# Altium PCB GameBoard_V1I1_Phase1.PcbDoc (part 13 of 18)
Units mm, origin at the board's own origin, x right, y up, seen from the top; angles counter-clockwise.
Board outline 182 x 70.2 mm, 12 copper layers (L1, L2, L3, L4, L5 (PWR), L6 (PWR), L7 (PWR), L8 (PWR), L9, L10, L11, L12), stack 2.079 mm thick; 1542 components, 1068 nets, 5447 pads, 3805 vias.
Unrouted connection lines stored in the file: 2.
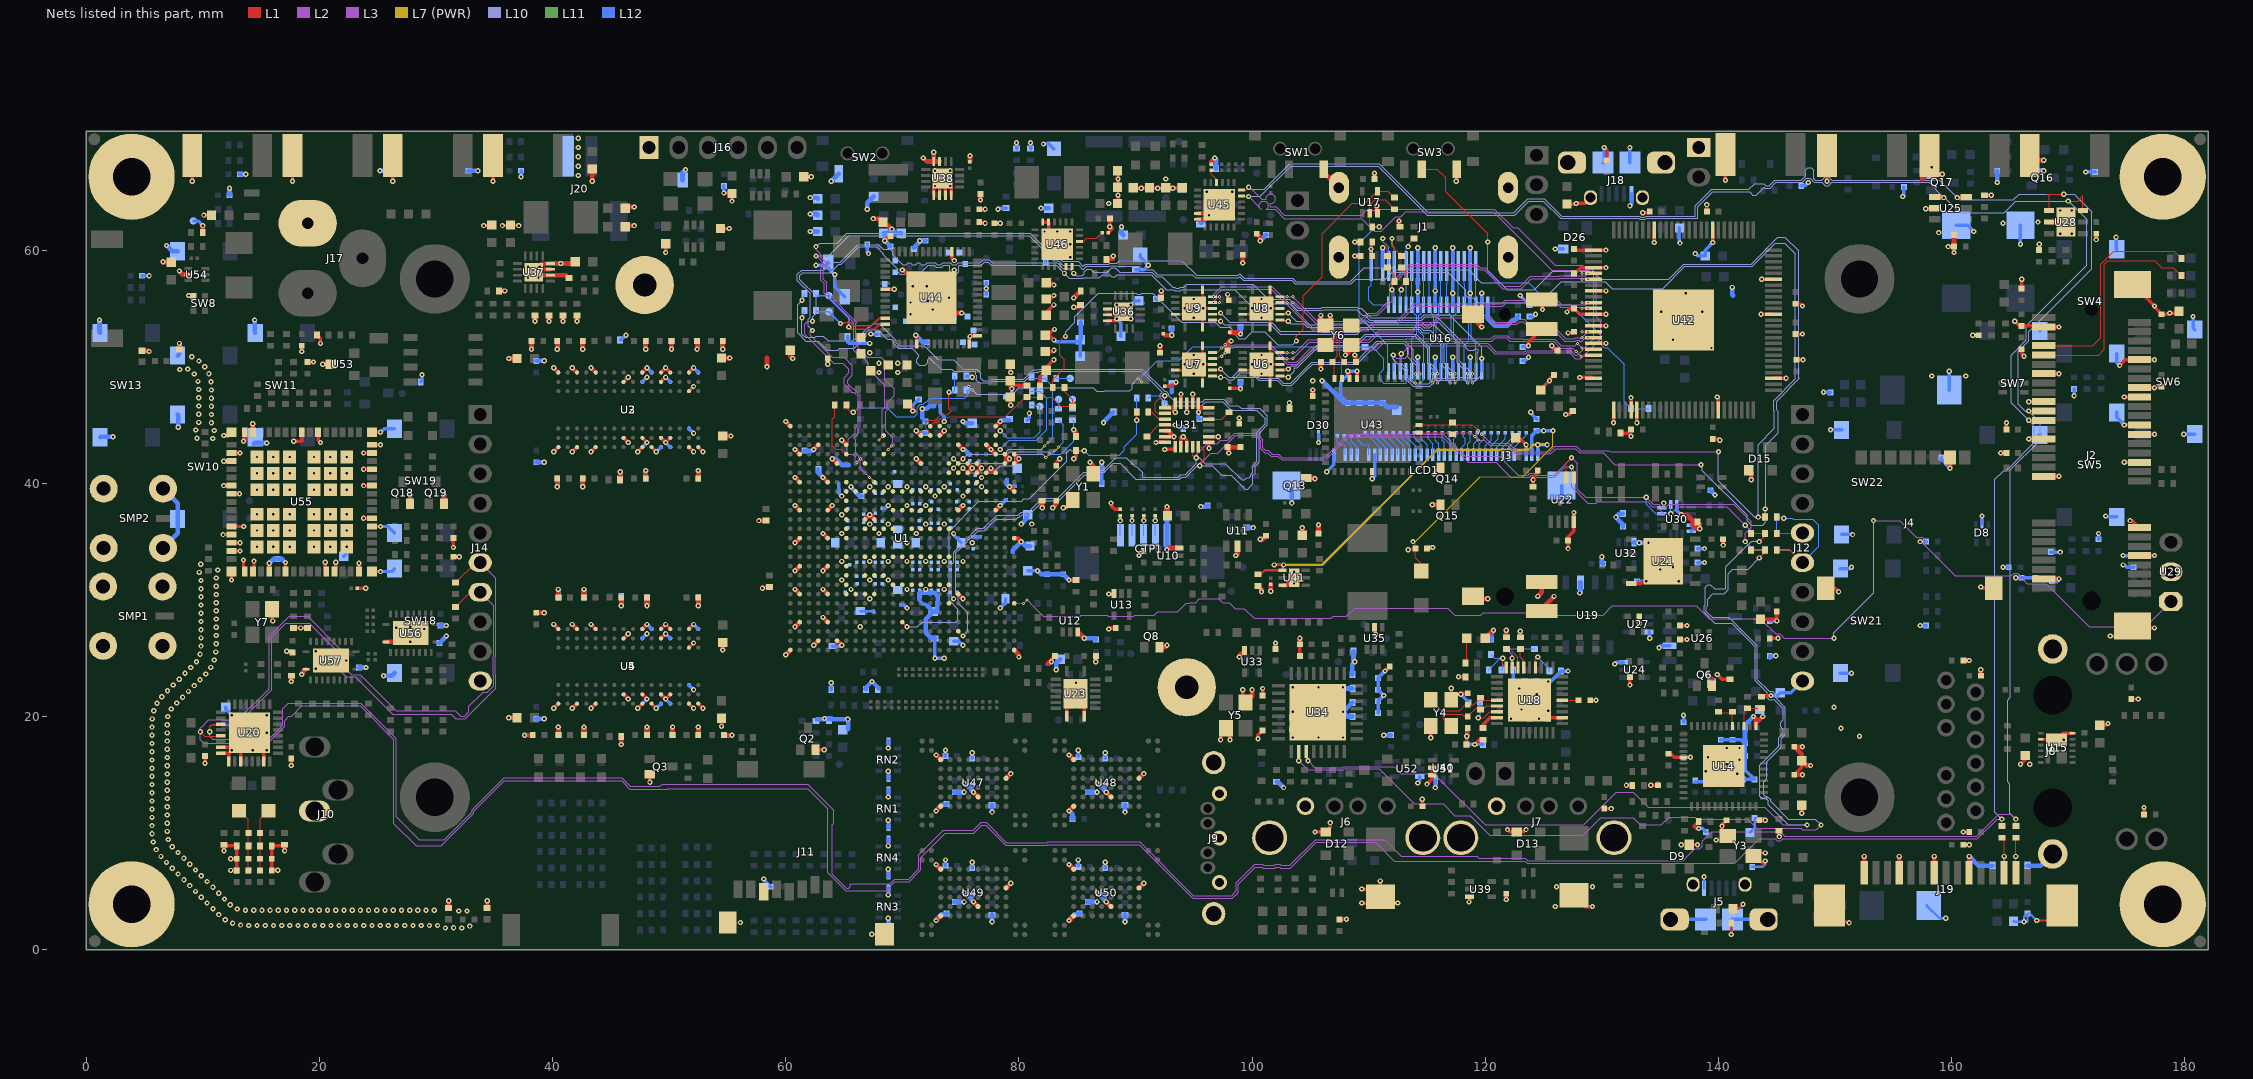
[diagram p23: the nets of this part, all layers, seen from the top]

## Via types
v1: diameter 0.45, hole 0.2, L1 to L12, 1937 vias
v2: diameter 0.45, hole 0.2, L1 to L12, tented both sides, 1004 vias
v3: diameter 0.27, hole 0.1, L1 to L2, 337 vias
v4: diameter 0.27, hole 0.1, L2 to L3, 335 vias
v5: diameter 0.27, hole 0.1, L10 to L11, 96 vias
v6: diameter 0.27, hole 0.1, L11 to L12, 94 vias
v7: diameter 0.27, hole 0.1, L3 to L5 (PWR), 2 vias

## Nets (pads, with @x,y where several pads share a name; then routed paths per layer and width w, separated by ;. In a path a pad name is that pad's centre, name@x,y a point inside that pad or via, vN(x,y) a via of type N, cw(c..) or ccw(c..) an arc to the next point about the centre after c; other vN are vias at no path point) (continued)
GND: (continued)
  other v1: 30.815,1.862 32.222,1.862 31.518,1.885 32.907,2.023 13.952,2.074 14.656,2.074 15.36,2.074 16.064,2.074 16.768,2.074 17.472,2.074 18.176,2.074 18.88,2.074 19.584,2.074 20.288,2.074 20.992,2.074 21.696,2.074 22.4,2.074 23.104,2.074 23.808,2.074 24.512,2.074 25.216,2.074 25.92,2.074 26.624,2.074 27.328,2.074 28.032,2.074 28.736,2.074 29.44,2.074 30.144,2.074 13.248,2.107 12.563,2.266 11.931,2.577 11.374,3.007 31.966,3.322 32.67,3.314 13.666,3.376 14.37,3.376 15.074,3.376 15.778,3.376 16.482,3.376 17.186,3.376 17.89,3.376 18.594,3.376 19.298,3.376 20.002,3.376 20.706,3.376 21.41,3.376 22.114,3.376 22.818,3.376 23.522,3.376 24.226,3.376 24.93,3.376 25.634,3.376 26.338,3.376 27.042,3.376 27.746,3.376 28.45,3.376 29.154,3.376 29.858,3.376 12.971,3.49 10.875,3.504 126,3.7 12.369,3.854 10.378,4.002 11.87,4.351 9.88,4.5 11.372,4.849 9.382,4.998 10.874,5.346 126.1,5.4 129.2,5.4 8.884,5.495 10.376,5.844 8.386,5.993 9.878,6.342 7.889,6.491 9.381,6.84 7.391,6.989 8.883,7.338 6.893,7.487 8.385,7.835 6.412,8.001 7.887,8.333 6.015,8.582 7.394,8.836 136.8,9 5.766,9.241 139.8,9.4 7.049,9.449 5.661,9.937 6.951,10.147 5.649,10.641 6.951,10.851 5.649,11.345 6.951,11.555 5.649,12.049 6.951,12.259 5.649,12.753 6.951,12.963 5.649,13.457 6.951,13.667 5.649,14.161 6.951,14.371 5.649,14.865 6.951,15.075 141.6,15.1 138.9,15.3 5.649,15.569 6.951,15.779 166.7,15.9 5.649,16.273 141.8,16.3 6.951,16.483 139.1,16.5 5.649,16.977 6.951,17.187 140.7,17.3 141.8,17.3 5.649,17.681 6.951,17.891 169.6,18 105.7,18.2 107.8,18.2 152.1,18.3 5.649,18.385 6.951,18.595 15.5,18.6 150.5,19 5.649,19.089 6.951,19.299 5.671,19.792 122.2,19.8 124.6,19.8 7.003,20.001 105.7,20.4 5.796,20.485 125.4,20.5 123.1,20.6 7.294,20.642 149.9,20.8 6.081,21.129 7.776,21.155 8.273,21.653 6.496,21.698 84.9,21.7 124.4,21.9 8.771,22.151 6.984,22.205 103.5,22.5 105.7,22.5 9.269,22.649 7.482,22.703 84.9,22.9 9.767,23.147 7.98,23.2 10.259,23.65 8.478,23.698 19.7,24.1 8.976,24.196 10.683,24.212 9.462,24.705 82.8,24.7 21,24.8 10.981,24.85 9.777,25.335 11.124,25.539 19.7,25.6 9.849,26.035 11.151,26.243 27.8,26.4 9.849,26.739 11.151,26.947 9.849,27.443 29,27.5 26.6,27.6 11.151,27.651 27.8,27.7 9.849,28.147 11.151,28.355 9.849,28.851 11.151,29.059 9.849,29.555 11.151,29.763 9.849,30.259 11.151,30.467 9.849,30.963 11.151,31.171 136.6,31.6 9.849,31.667 11.151,31.875 9.712,32.357 103.6,32.4 11.288,32.565 9.826,33.052 14.65,34.55 16.05,34.55 17.45,34.55 19.55,34.55 20.95,34.55 133.2,34.9 14.65,35.95 16.05,35.95 17.45,35.95 19.55,35.95 20.95,35.95 22.35,35.95 14.65,37.35 16.05,37.35 17.45,37.35 19.55,37.35 20.95,37.35 22.35,37.35 135.3,38.3 14.65,39.45 16.05,39.45 17.45,39.45 19.55,39.45 20.95,39.45 22.35,39.45 14.65,40.85 16.05,40.85 17.45,40.85 19.55,40.85 20.95,40.85 22.35,40.85 14.65,42.25 16.05,42.25 17.45,42.25 19.55,42.25 20.95,42.25 22.35,42.25 10.868,43.838 9.513,43.867 10.988,44.532 9.412,44.564 10.743,45.191 9.657,45.224 10.743,45.895 9.657,45.928 10.743,46.599 9.657,46.632 10.743,47.303 9.657,47.336 10.743,48.007 9.657,48.04 10.714,48.711 9.597,48.741 105.2,48.8 158.3,49.2 161.2,49.2 9.277,49.368 10.529,49.39 8.024,49.762 8.726,49.806 10.171,49.996 9.673,50.494 9.067,50.853 139.4,51.6 89.6,54.1 137,54.2 135.1,54.7 138.6,54.7 88.4,55.3 8.8,56.1 117.2,56.3 137.2,56.3 114.2,56.4 115.7,56.5 37.9,57.6 38.8,57.6 37.9,58.6 38.9,58.6 158.9,61.5 82.2,61.6 83.3,61.6 164.4,62.3 167.4,62.4 87.7,64 96.1,65 98.3,65 72.8,65.5 92.6,66.1 42.2,66.4 74.1,66.8 42.2,67.2 42.2,68 42.2,68.8 42.2,69.6
  other v2: 80,25.1 66.4,27.7 65.6,30.9 70.4,30.9 72,30.9 73.6,30.9 64.8,31.7 67.2,31.7 68.8,31.7 64.8,33.3 67.2,33.3 68.8,33.3 70.4,33.3 72,33.3 73.6,33.3 75.2,33.3 70.4,34.9 76,34.9 64.8,35.7 68,35.7 71.2,35.7 67.2,36.5 68.8,36.5 72,36.5 73.6,36.5 81.1,36.5 64.8,37.3 70.4,38.1 72,38.1 72.8,38.9 75.2,38.9 67.2,39.7 68.8,39.7 70.4,39.7 72,39.7 73.6,39.7 76.8,39.7 76.8,40.5 95,49.4 100.8,49.4 68,49.5 69.6,49.5 94.2,50.2 100,50.2 68,50.3 69.6,50.3 95,51 100.8,51 67.2,51.2 75.8,52.6 95,54.2 100.8,54.2 70.7,54.5 72.6,54.9 94.2,55 100,55 70.7,55.5 72.2,55.6 95,55.8 100.8,55.8 74,55.9 70.9,56.9 72.1,56.9 74.45,58.3 169.3,61.4 170.3,61.4 84.4,61.6 169.3,63.4 170.3,63.4
  other v3: 68.8,39.7
GYRO_CS_B: R264.2 U31.17 | length 1.8
  L1 w0.1: U31.17@96.275,45.5 97.4,45.5 R264.2@97.9,46
GYRO_INT: R46.1 R256.2 R258.2 U1.N22 | length 37.4
  L1 w0.093: U1.N22@70,28.1 v2(70.4,27.7) ; v1(90.1,45.4) R258.2@90.1,46.1
  L10 w0.093: v2(70.4,27.7) 71.3,27.7 71.7,28.1 74.527,28.1 74.7,28.273 74.7,28.275 74.772,28.346 74.772,29.203 74.007,29.968 74.007,35.907 76.575,38.475 80.229,38.475 80.425,38.672 80.871,38.672 84.1,41.9 84.1,42.6 84.4,42.9 84.5,42.8 v1(85.6,42.8)
  L12 w0.093: v1(85.6,42.8) 85.996,42.404 88.599,42.404 89.014,42.819 89.014,43.114 90.1,44.2 v1(90.1,45.4) R46.1@90.1,46.1 R256.2@90.1,47.3
GYRO_INT1: R258.1 U31.3 | length 1.7
  L1 w0.093: R258.1@91.1,46.1 91.4,46.1 92,45.5 U31.3@92.525,45.5
GYRO_PWR_CTRL: R254.2 R256.1 U31.2 | length 4.8
  L1 w0.093: v1(92.5,47.5) 92.3,47.5 91.7,46.9 91.7,46.2 91.9,46 U31.2@92.525,46
  L12 w0.093: R256.1@91.1,47.3 91.3,47.5 v1(92.5,47.5) R254.2@92.5,46.8
GYRO_RST: R266.2 R268.2 U31.4 | length 3.7
  L1 w0.1: R268.2@91,44 92,45 U31.4@92.525,45 v1(93.4,45)
  L12 w0.1: v1(93.4,45) 93.7,45 R266.2@94.1,44.6
HDMI_CEC: R24.1 U1.W4 | length 5.1
  L1 w0.1: R24.1@64.2,46.7 64.2,45.7 64,45.5 64,43.2 64.3,42.9 64.8,42.9 U1.W4@65.2,42.5
HDMI_CEC_CON: J1.13 R148.2 U16.23 | length 6
  L1 w0.1: v1(113.4,60.3) 113.4,60.5 R148.2@113.9,61
  L12 w0.1: U16.23@113.2,55.3 113.2,56.3 ; 113.2,56.3 J1.13@113.2,58.64 113.2,60.1 v1(113.4,60.3)
HDMI_CEC_IN: R20.1 R24.2 R25.2 U16.16 | length 58
  L1 w0.1: R24.2@65.2,46.7 65.2,46.5 65.6,46.1 v1(65.8,46.1)
  L10 w0.1: v5(75.7,48.3) 76.375,47.625 79.455,47.625 79.775,47.945 79.775,47.975 80,48.2 86.37,48.2 86.67,47.9 87.33,47.9 87.355,47.925 89.525,47.925 89.702,48.102 89.702,48.5 v5(90.202,49)
  L11 w0.1: v5(75.7,48.3) v6(76,48) ; v5(90.202,49) v6(90.502,48.7)
  L12 w0.1: v1(65.8,46.1) 66.2,46.5 68.7,46.5 69.475,45.725 71.025,45.725 71.275,45.975 71.275,46.505 71.545,46.775 71.775,46.775 71.95,46.95 72.05,46.95 72.4,47.3 75.367,47.3 75.6,47.533 75.6,47.9 R25.2@75.5,48 v6(76,48) ; v6(90.502,48.7) 90.502,49.119 91.883,50.5 93.7,50.5 94.9,51.7 R20.1@109.7,51.7 110.3,51.7 111.3,50.7 111.3,49.8 110.95,49.45 110.95,48.95 111.3,48.6 113.2,48.6 113.2,48.7 U16.16@113.2,49.6
HDMI_CLK_N: J1.12 U7.9 U16.15 U16.24 | length 33.2
  L1 w0.1: U7.9@96.6,49.2 97.3,49.2 v2(97.3,49.1)
  L10 w0.1: v2(97.3,49.1) 97.717,49.1 97.917,48.9 98.383,48.9 98.983,49.5 99.887,49.5 100.562,48.825 102.175,48.825 102.6,48.4 103.383,48.4 104.7,49.717 105.183,50.2 108.983,50.2 109.925,51.142 109.925,51.155 110.145,51.375 110.158,51.375 110.783,52 113,52 113.365,51.635 113.365,50.835 113.625,50.575 113.625,50.562 114.1,50.087 114.1,49.5 v5(114,49.4)
  L11 w0.1: v6(114,48.6) v5(114,49.4)
  L12 w0.1: J1.12@113.7,58.64 113.7,57.05 113.7,55.55 113.9,55.35 113.9,55.176 113.91,55.166 113.91,54.538 113.998,54.45 114.1,54.45 114.1,52.8 113.7,52.4 U16.15@113.7,49.6 113.7,48.9 v6(114,48.6)
HDMI_CLK_P: J1.10 U7.10 U16.13 U16.26 | length 35.9
  L1 w0.1: U7.10@96.6,49.7 97.3,49.7 v2(97.3,49.8)
  L10 w0.1: v2(97.3,49.8) 98,49.1 98.3,49.1 ; 100.487,49.183 99.97,49.7 98.9,49.7 98.3,49.1 ; v5(114.4,49.4) 114.3,49.5 114.3,50.17 113.825,50.645 113.825,51.458 113.083,52.2 110.7,52.2 110.075,51.575 110.062,51.575 109.725,51.238 109.725,51.225 108.9,50.4 105.1,50.4 103.3,48.6 102.683,48.6 102.258,49.025 100.645,49.025 100.57,49.1 98.3,49.1
  L11 w0.1: v6(114.4,48.6) v5(114.4,49.4)
  L12 w0.1: v6(114.4,48.6) 114.7,48.9 U16.13@114.7,49.6 114.7,52.6 114.3,53 114.3,54.45 114.402,54.45 114.49,54.538 114.49,55.166 114.5,55.176 114.5,55.35 114.7,55.55 114.7,57.29 J1.10@114.7,58.64
HDMI_D0_N: J1.9 U6.9 U16.12 U16.27 | length 28.5
  L1 w0.1: U6.9@102.4,49.2 103.1,49.2 v2(103.1,49.1)
  L10 w0.1: v2(103.1,49.1) 103.6,49.6 103.6,49.9 103.883,49.9 105.641,51.659 108.859,51.659 109.8,52.6 114,52.6 115,51.6 115,50.3 115.5,49.8 v5(115.5,49.4)
  L11 w0.1: v6(115.5,48.6) v5(115.5,49.4)
  L12 w0.1: J1.9@115.2,58.64 115.2,57.05 115.2,55.55 115.4,55.35 115.4,55.176 115.41,55.166 115.41,54.538 115.498,54.45 115.6,54.45 115.6,52.2 115.575,52.175 115.545,52.175 115.325,51.955 115.325,51.925 115.2,51.8 U16.12@115.2,49.6 115.2,48.9 v6(115.5,48.6)
HDMI_D0_P: J1.7 U6.10 U16.10 U16.29 | length 28.5
  L1 w0.1: U6.10@102.4,49.7 103.1,49.7 v2(103.1,49.8)
  L10 w0.1: v2(103.1,49.8) 103.4,50.1 103.8,50.1 105.559,51.859 108.776,51.859 109.717,52.8 114.083,52.8 115.2,51.683 115.2,50.383 115.9,49.683 v5(115.9,49.4)
  L11 w0.1: v6(115.9,48.6) v5(115.9,49.4)
  L12 w0.1: v6(115.9,48.6) 116.2,48.9 U16.10@116.2,49.6 116.2,51.9 115.8,52.3 115.8,54.45 115.902,54.45 115.99,54.538 115.99,55.166 116,55.176 116,55.35 116.2,55.55 116.2,57.29 J1.7@116.2,58.64
  other v5: 115.9,49.4
HDMI_D1_N: J1.6 U9.9 U16.9 U16.30 | length 35
  L1 w0.1: U9.9@96.6,54 97.3,54 v2(97.3,53.9)
  L10 w0.1: v2(97.3,53.9) 97.6,53.6 101.6,53.6 102.4,52.8 109,52.8 109.4,53.2 114.321,53.2 114.596,52.925 115.175,52.925 116.3,51.8 116.3,50.1 v5(117,49.4)
  L11 w0.1: v6(117,48.6) v5(117,49.4)
  L12 w0.1: J1.6@116.7,58.64 116.7,57.05 116.7,55.55 116.9,55.35 116.9,55.176 116.91,55.166 116.91,54.538 116.998,54.45 117.1,54.45 117.1,52.317 116.7,51.917 U16.9@116.7,49.6 116.7,48.9 v6(117,48.6)
HDMI_D1_P: J1.4 U9.10 U16.7 U16.32 | length 35.7
  L1 w0.1: U9.10@96.6,54.5 97.3,54.5 v2(97.3,54.6)
  L10 w0.1: v2(97.3,54.6) 98.1,53.8 101.683,53.8 102.424,53.059 105.941,53.059 106,53 108.917,53 109.317,53.4 114.404,53.4 114.679,53.125 115.258,53.125 116.5,51.883 116.5,50.303 117.4,49.403 v5(117.4,49.4)
  L11 w0.1: v6(117.4,48.6) v5(117.4,49.4)
  L12 w0.1: v6(117.4,48.6) 117.7,48.9 U16.7@117.7,49.6 117.7,52 117.3,52.4 117.3,54.45 117.402,54.45 117.49,54.538 117.49,55.166 117.5,55.176 117.5,55.35 117.7,55.55 117.7,57.29 J1.4@117.7,58.64
  other v5: 117.4,49.4
HDMI_D2_N: J1.3 U8.9 U16.6 U16.33 | length 30.9
  L1 w0.1: U8.9@102.4,54 U8.9@102.7,54 ; U8.9@102.7,53.9 U8.9@102.7,54 ; v2@103.1,54 U8.9@102.7,54
  L10 w0.1: v2(103.1,53.9) 103.3,53.7 104.434,53.7 104.734,53.4 108.869,53.4 109.227,53.759 109.779,53.759 109.937,53.6 114.487,53.6 114.762,53.325 115.238,53.325 115.513,53.6 115.6,53.6 117.035,52.165 117.045,52.175 117.355,52.175 117.575,51.955 117.575,50.325 v5(118.5,49.4)
  L11 w0.1: v6(118.5,48.6) v5(118.5,49.4)
  L12 w0.1: J1.3@118.2,58.64 118.2,57.05 118.2,55.55 118.4,55.35 118.4,55.176 118.41,55.166 118.41,54.538 118.498,54.45 118.6,54.45 118.6,52.175 118.545,52.175 118.2,51.83 U16.6@118.2,49.6 118.2,48.9 v6(118.5,48.6)
HDMI_D2_P: J1.1 U8.10 U16.4 U16.35 | length 31.5
  L1 w0.1: U8.10@102.4,54.5 v2@103.1,54.5
  L10 w0.1: v2(103.1,54.6) 103.8,53.9 104.517,53.9 104.817,53.6 108.786,53.6 109.144,53.959 109.862,53.959 110.02,53.8 114.625,53.8 114.625,53.745 114.845,53.525 115.155,53.525 115.375,53.745 115.375,53.8 116.013,53.8 117.775,52.038 117.775,50.528 118.9,49.403 v5(118.9,49.4)
  L11 w0.1: v6(118.9,48.6) v5(118.9,49.4)
  L12 w0.1: v6(118.9,48.6) 119.2,48.9 U16.4@119.2,49.6 119.2,52 118.825,52.375 118.8,52.375 118.8,54.45 118.902,54.45 118.99,54.538 118.99,55.166 119,55.176 119,55.35 119.2,55.55 119.2,57.29 J1.1@119.2,58.64
  other v5: 118.9,49.4
HDMI_DDC: R25.1 R29.2 U1.K2 | length 7.4
  L1 w0.1: U1.K2@72.4,44.1 72.4,44.3 72,44.7 72,45.2 72.225,45.425 72.855,45.425 73.305,45.875 73.875,45.875 74.2,46.2 74,46.4 v1(74,47.8)
  L12 w0.1: v1(74,47.8) 74.1,47.8 74.2,47.7 R25.1@74.5,48 R29.2@74.5,49.2
HDMI_ESD_BYP: C220.1 U16.37 | length 4.4
  L12 w0.4: U16.37@120.2,55.3 120.2,54.125 120.825,53.5 121.867,53.5 122.333,53.967 122.467,53.967 C220.1@122.8,54.3
HDMI_HPD: R23.2 R150.2 U17.4 | length 47.8
  L1 w0.1: R23.2@82.9,48.2 82.9,48.883 83.9,49.883 83.9,50.6 83.5,51 83.5,52.2 83.9,52.6 v1(84,52.6) ; v1(103.8,52.2) 103.8,52.6 104.4,53.2 104.4,56.1 106,57.7 106,61.4 108.6,64 109.7,64 U17.4@110.75,65.05 111.65,65.05 R150.2@112.2,64.5
  L10 w0.1: v1(84,52.6) 84,53 84.8,53.8 84.8,54.283 86.817,56.3 90.07,56.3 90.145,56.225 90.455,56.225 90.53,56.3 91.5,56.3 93.975,53.825 96.845,53.825 97.27,53.4 98.096,53.4 98.625,52.871 98.625,52.645 98.87,52.4 99.4,52.4 100,53 101.1,53 102.2,51.9 103.5,51.9 v1(103.8,52.2)
HDMI_HPD_BUFF: R149.1 R150.1 U16.19 U17.2 | length 19.5
  L1 w0.1: v1(110.9,62) R149.1@110.3,62 110.1,62.2 U17.2@110.1,63.15 110.1,63.9 110.5,64.3 111.4,64.3 R150.1@112.2,63.5
  L12 w0.1: v1(110.9,62) 110.6,62 109.2,60.6 109.2,54.3 111.65,51.85 111.65,49.65 U16.19@111.7,49.6
HDMI_HPD_CON: C222.1 J1.19 R145.2 U16.20 | length 7.6
  L1 w0.1: C222.1@110.3,59.5 110.2,59.6 v1(110.2,60.1) 110.3,60.2 R145.2@110.3,60.7
  L12 w0.1: v1(110.2,60.1) J1.19@110.2,58.64 110.2,57 110,56.8 110,55.7 110.4,55.3 U16.20@111.7,55.3
HDMI_HPD_R: C74.1 R21.1 R23.1 R26.2 U1.K1 | length 15.5
  L1 w0.1: U1.K1@72.4,44.9 72.4,44.913 72.712,45.225 72.995,45.225 73.445,45.675 73.958,45.675 74.008,45.725 75.875,45.725 75.9,45.7 78.83,45.7 80.53,47.4 R26.2@80.7,47.4 C74.1@81.8,47.4 82.8,47.4 83.6,46.6 R21.1@84.6,46.6 84.6,47.183 83.9,47.883 R23.1@83.9,48.2
HDMI_RESREF: R28.2 U1.J1 | length 2
  L1 w0.093: U1.J1@73.2,44.9 v2(73.6,45.3)
  L12 w0.3: R28.2@73.265,46.6 73.265,46.048 73.6,45.713 v2(73.6,45.3)
HDMI_SCL_CON: J1.15 R143.1 | length 4.3
  L1 w0.1: v1(112,61) 112,60.3 R143.1@112.8,59.5
  L12 w0.1: v1(112,61) 112,60.4 112.2,60.2 J1.15@112.2,58.64
HDMI_SCL_CON_R: R143.2 R147.1 U16.22 | length 3.6
  L1 w0.1: v1(112.8,56.6) 112.8,56.9 R147.1@113.2,57.3 113.2,58.1 R143.2@112.8,58.5
  L12 w0.1: U16.22@112.7,55.3 112.7,56.5 v1(112.8,56.6)
HDMI_SDA_CON: J1.16 R144.1 | length 4.3
  L1 w0.1: v1(111.2,61) 111.2,60.73 111.6,60.33 R144.1@111.6,59.5
  L12 w0.1: v1(111.2,61) 111.2,60.7 111.325,60.575 111.355,60.575 111.7,60.23 J1.16@111.7,58.64
HDMI_SDA_CON_R: R144.2 R146.1 U16.21 | length 3.6
  L1 w0.1: R144.2@111.6,58.5 112.2,57.9 R146.1@112.2,57.3 112,57.1 v1(112,56.6)
  L12 w0.1: v1(112,56.6) 112.2,56.4 U16.21@112.2,55.3
HP_OUT_L: C272.2 C276.1 C280.1 FB22.1 R203.2 | length 5.4
  L1 w0.1: FB22.1@14.923,6.804 R203.2@14.923,8.904 C276.1@14.923,10.004 14.923,11.229 C272.2@15.623,11.929
HP_OUT_R: C273.2 C275.1 C279.1 FB21.1 R202.2 | length 5.5
  L1 w0.1: C273.2@13.123,11.929 13.923,11.129 C275.1@13.923,10.004 C279.1@13.923,7.804 FB21.1@13.923,6.804
HUB_CFG_SEL0: R192.2 U18.24 | length 1.7
  L1 w0.1: R192.2@123,25.8 123,25.1 123.3,24.8 U18.24@123.3,24.2
HUB_CFG_SEL1: R191.2 U18.25 | length 2.2
  L1 w0.1: R191.2@121.8,25.8 122.1,25.8 122.8,25.1 U18.25@122.8,24.2
HUB_CRFILT: C255.1 U18.14 | length 1.4
  L1 w0.1: U18.14@126.6,21.4 C255.1@128,21.4
HUB_LED: D11.2 R190.1 | length 2
  L1 w0.1: R190.1@118.3,24.6 118.4,24.7 D11.2@118.4,26.6
HUB_NON_REM1: R195.2 U18.22 | length 2.6
  L1 w0.1: U18.22@124.3,24.2 124.3,24.9 v1(124.5,25.1)
  L12 w0.1: v1(124.5,25.1) 125.5,24.1 R195.2@125.5,23.9
HUB_PLLFILT: C254.1 U18.34 | length 3.2
  L1 w0.1: v1(119.4,19.9) 119.87,19.9 120.37,20.4 U18.34@121,20.4
  L12 w0.1: v1(119.4,19.9) 119.55,20.05 C254.1@119.55,21.2
HUB_RBIAS: R193.1 U18.35 | length 1.7
  L1 w0.3: R193.1@119.8,19 119.8,19.3 120.4,19.9 U18.35@121,19.9
HUB_RESETn: C248.1 R187.1 R189.1 U18.26 | length 4.2
  L1 w0.1: U18.26@122.3,24.2 v1(122.3,25)
  L12 w0.1: v1(122.3,25) 122.3,25.3 R189.1@121.8,25.8 C248.1@123,25.8 R187.1@124.2,25.8
HUB_VBUS_DET: R183.2 R184.1 R185.1 U18.27 | length 4.5
  L1 w0.1: v1(121.5,25) 121.5,24.5 U18.27@121.8,24.2
  L12 w0.1: R184.1@120.3,24 v1@121.3,25 ; R183.2@120.5,25.3 120.8,25 v1@121.3,25 ; R185.1@121.4,24 121.5,24.1 v1(121.5,25) v1@121.3,25
HUB_XTALIN: C247.1 R196.2 U18.33 Y4.3 | length 6.3
  L1 w0.1: Y4.3@117.075,19.175 117.025,19.175 116.4,19.8 116.4,20.1 116.5,20.2 118,20.2 118.2,20 C247.1@118.5,20 119.3,20.8 120,20.8 120.1,20.9 U18.33@121,20.9
HUB_XTALOUT: C249.1 R196.1 U18.32 Y4.1 | length 6.4
  L1 w0.1: Y4.1@115.325,21.425 116.25,20.5 117.8,20.5 118.3,21 C249.1@118.5,21 119,21 119.4,21.4 U18.32@121,21.4
I2C1_SCL: R60.1 R224.1 R441.1 U1.H20 U22.6 U30.4 U31.11 | length 159.8
  L1 w0.093: U1.H20@74,29.7 v2(74.4,30.1) ; U31.11@94.9,43.125 94.9,42.4 95.1,42.2 v1(95.2,42.2) ; U22.6@126.925,40.5 126.925,41.725 v1(127.4,42.2)
  L3 w0.093: v1@95.1,42.325 96.146,43.372 96.997,43.372 97.325,43.7 97.927,43.7 98.52,44.293 100.38,44.293 100.929,43.744 100.929,43.046 101.146,42.828 101.394,42.828 101.719,42.504 102.296,42.504 102.6,42.2 106.227,42.2 108.227,44.2 116.4,44.2 118.3,42.3 121.2,42.3 122.807,40.693 123.695,40.693 123.866,40.865 124.334,40.865 124.505,40.693 125.893,40.693 v1(127.4,42.2) 127.9,41.7 127.9,39.5 128.6,38.8 v1(133.8,38.8) 134.4,38.2 134.875,38.2 135.146,37.928 135.454,37.928 135.725,38.2 141.3,38.2 142.8,36.7 142.8,36.2 142.3,35.7 v1(142.3,35)
  L10 w0.093: v1(61.4,55.7) 61.019,55.319 61.019,52.9 61.719,52.2 62.8,52.2 63.571,51.429 64.454,51.429 64.625,51.6 65.882,51.6 66.928,52.646 66.928,52.954 67.146,53.171 67.915,53.171 68.715,52.372 69.054,52.372 69.271,52.154 69.271,51.954 69.654,51.571 70.854,51.571 71.429,50.997 71.429,50.854 71.228,50.654 71.228,50.346 71.446,50.129 71.954,50.129 72.172,50.346 72.172,50.615 72.328,50.772 73.328,49.772 74.254,49.772 74.425,49.6 76.3,49.6 76.3,49.325 76.372,49.254 76.372,48.946 76.313,48.887 76.589,48.61 77.631,48.61 77.756,48.736 80.5,48.736 81.3,49.535 81.7,49.535 81.764,49.6 90.5,49.6 92.287,47.813 92.129,47.654 92.129,47.346 92.346,47.128 92.402,47.128 92.962,46.569 93.065,46.672 95.693,46.672 96.018,46.996 97.468,46.996 98.211,46.254 100.4,46.254 101.118,45.537 101.118,45.092 100.407,44.382 100.407,43.82 100.407,41.88 100.006,41.479 100.006,41.319 100.071,41.254 100.071,40.946 99.879,40.753 99.879,40.604 99.747,40.472 99.546,40.472 99.375,40.3 99.1,40.3 97.707,41.693 95.99,41.693 95.483,42.2 v1(95.2,42.2) 95.2,41.725 95.128,41.654 95.128,41.603 94.254,40.728 93.901,40.728 93.708,40.535 90.6,40.535 90.6,40.925 90.054,41.471 89.929,41.471 89.471,41.929 89.471,41.954 89.225,42.2 88.298,42.2 87.236,41.137 86.515,41.137 86.319,40.941 85.581,40.941 83.344,38.704 82.005,38.704 80.802,37.5 80.2,37.5 79.964,37.265 78.09,37.265 76.954,36.129 76.43,36.129 75.436,35.134 75.436,35.108 74.992,34.665 74.966,34.665 74.407,34.105 74.407,33.207 74.2,33 74.2,30.3 v2(74.4,30.1)
  L12 w0.093: v1(61.4,55.7) 61.611,55.911 R441.1@61.611,56.272 ; v1(133.8,38.8) 133.8,38.2 134.6,37.4 U30.4@135.125,37.4 ; v1(142.3,35) 142.8,34.5 R60.1@142.8,34.3 R224.1@144,34.3
I2C1_SCL_CON: J12.6 R224.2 R225.2 R577.2 | length 13
  L1 w0.093: R225.2@145,34.3 146.1,34.3 J12.6@147.2,33.2 ; R577.2@145,37.1 145.5,37.1 v1(145.6,37)
  L12 w0.093: R224.2@145,34.3 146.1,34.3 J12.6@147.2,33.2 148.6,34.6 148.6,36.4 148.1,36.9 146.417,36.9 146.317,37 v1(145.6,37)
I2C1_SCL_MCU: R225.1 R279.1 U34.10 | length 86.4
  L1 w0.093: R279.1@142.8,34.3 R225.1@144,34.3 144,34.1 v1(143.5,33.6)
  L1 w0.1: v1(104,16.2) U34.10@104,17
  L3 w0.1: v1(104,16.2) 104.775,15.425 107.838,15.425 107.913,15.5 110.9,15.5 113.9,12.5 116.4,12.5 117.4,11.5 118.7,11.5 120.4,9.8 128.4,9.8 129.9,11.3 132.7,11.3 133.3,10.7 135.1,10.7 135.775,11.375 137.955,11.375 138.13,11.2 142.5,11.2 143.3,10.4 147.1,10.4 147.2,10.3 148.4,10.3 v1(148.8,10.7)
  L10 w0.1: v1(143.5,33.6) 142.5,32.6 141.2,32.6 140.8,32.2 140.8,30.817 140.451,30.468 139.465,30.468 139.025,30.028 139.025,29.455 138.925,29.355 138.925,29.045 139.47,28.5 140.9,28.5 143.3,26.1 143.3,23.2 144.335,22.165 144.345,22.175 144.655,22.175 144.875,21.955 144.875,21.645 144.865,21.635 145.7,20.8 145.7,18.43 145.325,18.055 145.325,17.315 144.1,16.09 144.1,14.6 143.9,14.4 143.9,13.3 144.025,13.175 144.138,13.175 144.475,12.838 144.475,12.725 146,11.2 148.3,11.2 v1(148.8,10.7)
I2C1_SCL_PMIC: R441.2 TP40.1 U44.54 | length 8
  L1 w0.114: v2(65.4,53.4) 65.6,53.2 67.6,53.2 68.05,53.65 U44.54@68.55,53.65
  L12 w0.114: R441.2@62.6,56 62.7,56.1 TP40.1@63.7,56.1 63.7,55.9 65.4,54.2 v2(65.4,53.4)
I2C1_SDA: R59.1 R222.1 R442.1 U1.G23 U22.5 U30.6 U31.12 | length 154.6
  L1 w0.093: U1.G23@74.8,27.3 v2(75.2,26.9) ; U31.12@95.4,43.125 95.65,43.125 95.9,42.875 95.9,42.102 95.5,41.702 v1(95.5,41.5) ; v1(127.4,41.4) 127.575,41.225 U22.5@127.575,40.5
  L3 w0.093: v1(95.5,41.5) 95.5,41.6 96.471,42.572 97.072,42.572 98.6,44.1 100.3,44.1 100.736,43.664 100.736,42.966 101.066,42.636 101.314,42.636 101.639,42.311 102.217,42.311 102.527,42 106.3,42 108.3,44 116.327,44 118.527,41.8 120.925,41.8 121.172,41.554 121.172,41.528 122.2,40.5 123.775,40.5 123.946,40.672 124.254,40.672 124.425,40.5 125.973,40.5 126.873,41.4 v1(127.4,41.4) 127.4,39.7 128.804,38.296 129.501,38.296 129.601,38.396 133.931,38.396 134.32,38.007 134.693,38.007 135.3,37.4 v1(135.9,37.4) 136.5,38 140.7,38 v1(142.3,36.4)
  L10 w0.093: v1(61.4,54.2) 61.396,54.196 61.396,52.796 61.663,52.529 62.537,52.529 62.637,52.629 63.229,52.629 63.629,52.229 65.729,52.229 65.9,52.4 66.102,52.4 67.066,53.364 67.219,53.364 67.527,53.673 68.025,53.673 69.464,52.234 69.464,52.034 69.698,51.8 71.9,51.8 73.1,50.6 74.4,50.6 75.207,49.793 76.38,49.793 76.729,49.444 76.729,49.021 76.946,48.803 77.551,48.803 77.676,48.929 80.42,48.929 81.22,49.728 81.62,49.728 81.684,49.793 90.58,49.793 92.494,47.879 92.647,47.879 92.872,47.654 92.872,47.528 93.4,47 95.748,47 95.938,47.189 97.548,47.189 98.066,46.672 98.828,46.672 99.053,46.447 100.653,46.447 101.311,45.789 101.311,45.012 100.6,44.302 100.6,41.8 100.199,41.399 100.264,41.334 100.264,40.866 100.072,40.673 100.072,39.946 99.625,39.5 99.4,39.5 98.2,40.7 97.4,40.7 96.6,41.5 v1(95.5,41.5) ; v2(75.2,26.9) 75.6,27.3 75.6,28.9 74.8,29.7 74.8,30.3 74.6,30.5 74.6,34.025 75.046,34.472 75.072,34.472 75.629,35.028 75.629,35.054 76.51,35.936 77.034,35.936 77.998,36.9 79.792,36.9 79.963,37.072 80.044,37.072 80.28,37.307 80.882,37.307 82.085,38.511 83.424,38.511 85.661,40.748 86.399,40.748 86.595,40.944 87.315,40.944 88.071,41.7 88.675,41.7 90.032,40.342 93.788,40.342 93.946,40.5 94.298,40.5 v1@95.398,41.6